# KiCad board mist1010.kicad_pcb (continued)
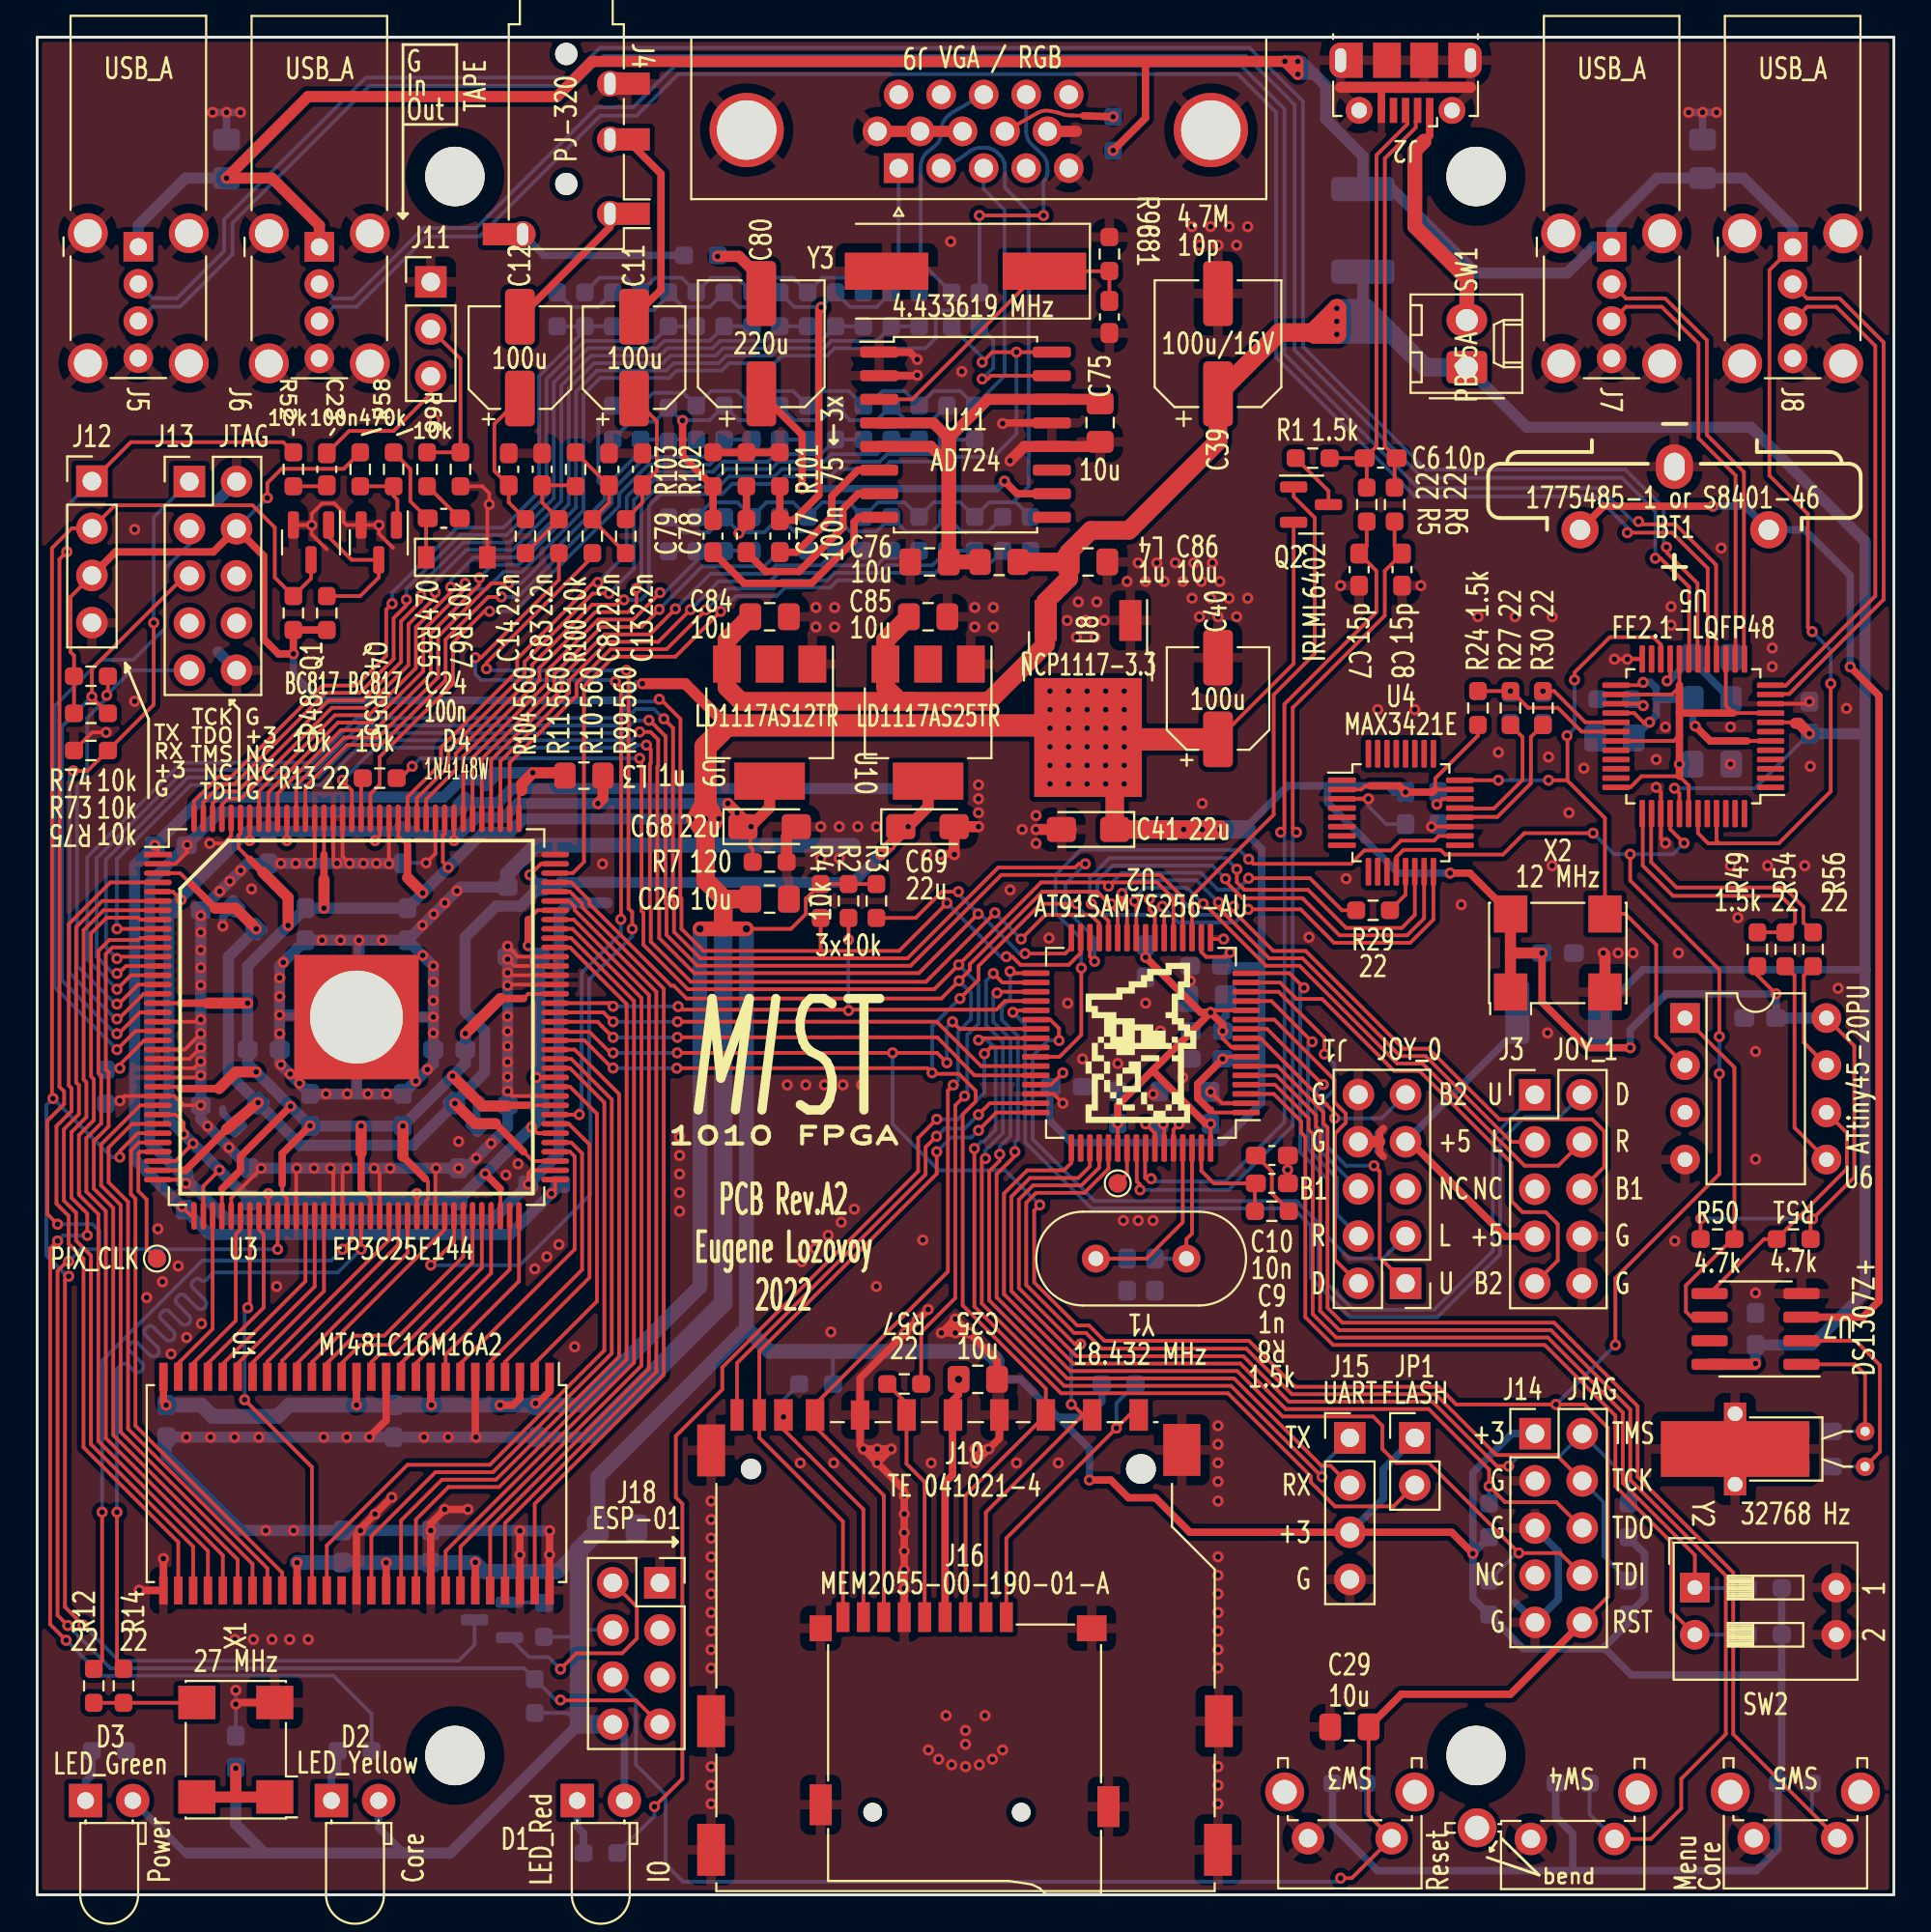
[diagram p0: board, top side]
## Placement (name value [footprint] x y rotation side) (continued)
R16  1.1k  [R_0603_1608Metric_Pad0.98x0.95mm_HandSolder]  32.5 85.35 90 bottom
R17  1.1k  [R_0603_1608Metric_Pad0.98x0.95mm_HandSolder]  35.5 85.35 90 bottom
R18  2.2k  [R_0603_1608Metric_Pad0.98x0.95mm_HandSolder]  38.5 85.35 90 bottom
R19  4.3k  [R_0603_1608Metric_Pad0.98x0.95mm_HandSolder]  41.5 85.35 90 bottom
R20  9.1k  [R_0603_1608Metric_Pad0.98x0.95mm_HandSolder]  44.5 85.35 90 bottom
R21  18k  [R_0603_1608Metric_Pad0.98x0.95mm_HandSolder]  47.5 85.35 90 bottom
R22  1k  [R_0603_1608Metric_Pad0.98x0.95mm_HandSolder]  35.5 73.24 90 bottom
R23  1.1k  [R_0603_1608Metric_Pad0.98x0.95mm_HandSolder]  38.5 73.25 90 bottom
R24  1.5k  [R_0603_1608Metric_Pad0.98x0.95mm_HandSolder]  77.6 63.89 90 top
R25  1.1k  [R_0603_1608Metric_Pad0.98x0.95mm_HandSolder]  41.5 73.26 90 bottom
R26  2.2k  [R_0603_1608Metric_Pad0.98x0.95mm_HandSolder]  44.5 73.26 90 bottom
R27  22  [R_0603_1608Metric_Pad0.98x0.95mm_HandSolder]  79.35 63.89 90 top
R28  4.3k  [R_0603_1608Metric_Pad0.98x0.95mm_HandSolder]  47.5 73.26 90 bottom
R29  22  [R_0603_1608Metric_Pad0.98x0.95mm_HandSolder]  71.95 53 0 top
R30  22  [R_0603_1608Metric_Pad0.98x0.95mm_HandSolder]  81.1 63.89 90 top
R31  9.1k  [R_0603_1608Metric_Pad0.98x0.95mm_HandSolder]  50.5 73.26 90 bottom
R32  18k  [R_0603_1608Metric_Pad0.98x0.95mm_HandSolder]  53.5 73.26 90 bottom
R33  1k  [R_0603_1608Metric_Pad0.98x0.95mm_HandSolder]  32.5 79.25 90 bottom
R34  1.1k  [R_0603_1608Metric_Pad0.98x0.95mm_HandSolder]  35.5 79.25 90 bottom
R35  1.1k  [R_0603_1608Metric_Pad0.98x0.95mm_HandSolder]  38.5 79.25 90 bottom
R36  2.7k 1%  [R_0603_1608Metric_Pad0.98x0.95mm_HandSolder]  84.95 64.37 180 bottom
R37  2.2k  [R_0603_1608Metric_Pad0.98x0.95mm_HandSolder]  41.5 79.25 90 bottom
R38  0  [R_0603_1608Metric_Pad0.98x0.95mm_HandSolder]  57.95 94.8 90 bottom
R39  4.3k  [R_0603_1608Metric_Pad0.98x0.95mm_HandSolder]  44.5 79.25 90 bottom
R40  9.1k  [R_0603_1608Metric_Pad0.98x0.95mm_HandSolder]  47.5 79.25 90 bottom
R41  18k  [R_0603_1608Metric_Pad0.98x0.95mm_HandSolder]  50.5 79.25 90 bottom
R42  100  [R_0603_1608Metric_Pad0.98x0.95mm_HandSolder]  50.75 85.34 90 bottom
R43  100  [R_0603_1608Metric_Pad0.98x0.95mm_HandSolder]  49.25 85.34 90 bottom
R44  10k  [R_0603_1608Metric_Pad0.98x0.95mm_HandSolder]  26.8 10.7 90 bottom
R45  220  [R_0603_1608Metric_Pad0.98x0.95mm_HandSolder]  30.34 2.25 0 bottom
R46  220  [R_0603_1608Metric_Pad0.98x0.95mm_HandSolder]  17.1 7.75 0 bottom
R47  220  [R_0603_1608Metric_Pad0.98x0.95mm_HandSolder]  3.86 7.75 0 bottom
R48  10k  [R_0603_1608Metric_Pad0.98x0.95mm_HandSolder]  13.8 69 270 top
R49  1.5k  [R_0603_1608Metric_Pad0.98x0.95mm_HandSolder]  92.65 50.9 90 top
R50  4.7k  [R_0603_1608Metric_Pad0.98x0.95mm_HandSolder]  90.5 35.3 0 top
R51  4.7k  [R_0603_1608Metric_Pad0.98x0.95mm_HandSolder]  94.6 35.3 180 top
R52  10k  [R_0603_1608Metric_Pad0.98x0.95mm_HandSolder]  13.8 76.74 270 top
R53  4.7k  [R_0603_1608Metric_Pad0.98x0.95mm_HandSolder]  58.25 27.5 0 bottom
R54  22  [R_0603_1608Metric_Pad0.98x0.95mm_HandSolder]  94.15 50.9 90 top
R55  10k  [R_0603_1608Metric_Pad0.98x0.95mm_HandSolder]  15.6 69 270 top
R56  22  [R_0603_1608Metric_Pad0.98x0.95mm_HandSolder]  95.65 50.9 90 top
R57  22  [R_0603_1608Metric_Pad0.98x0.95mm_HandSolder]  46.7 27.5 180 top
R58  470k  [R_0603_1608Metric_Pad0.98x0.95mm_HandSolder]  17.4 76.74 90 top
R59  10k  [R_0603_1608Metric_Pad0.98x0.95mm_HandSolder]  27.3 14.8 90 bottom
R60  4.7k  [R_0603_1608Metric_Pad0.98x0.95mm_HandSolder]  93.05 16.51 180 bottom
R61  4.7k  [R_0603_1608Metric_Pad0.98x0.95mm_HandSolder]  93.05 14.01 180 bottom
R62  4.7k  [R_0603_1608Metric_Pad0.98x0.95mm_HandSolder]  82.7 6 0 bottom
R63  4.7k  [R_0603_1608Metric_Pad0.98x0.95mm_HandSolder]  94.67 6 0 bottom
R64  4.7k  [R_0603_1608Metric_Pad0.98x0.95mm_HandSolder]  41.95 27.5 180 bottom
R65  470  [R_0603_1608Metric_Pad0.98x0.95mm_HandSolder]  21 76.74 270 top
R66  10k  [R_0603_1608Metric_Pad0.98x0.95mm_HandSolder]  19.2 76.74 270 top
R67  10k  [R_0603_1608Metric_Pad0.98x0.95mm_HandSolder]  22.8 76.74 270 top
R68  4.7k  [R_0603_1608Metric_Pad0.98x0.95mm_HandSolder]  70.67 6 0 bottom
R69  4.7k  [R_0603_1608Metric_Pad0.98x0.95mm_HandSolder]  85.7 20.16 90 bottom
R70  4.7k  [R_0603_1608Metric_Pad0.98x0.95mm_HandSolder]  85.7 16 90 bottom
R71  4.7k  [R_0603_1608Metric_Pad0.98x0.95mm_HandSolder]  78.2 20.16 90 bottom
R72  4.7k  [R_0603_1608Metric_Pad0.98x0.95mm_HandSolder]  78.2 16 90 bottom
R73  10k  [R_0603_1608Metric_Pad0.98x0.95mm_HandSolder]  2.9 63.6 0 top
R74  10k  [R_0603_1608Metric_Pad0.98x0.95mm_HandSolder]  2.9 65.6 0 top
R75  10k  [R_0603_1608Metric_Pad0.98x0.95mm_HandSolder]  2.9 61.6 180 top
R76  1k  [R_0603_1608Metric_Pad0.98x0.95mm_HandSolder]  28 85.35 90 bottom
R77  1.1k  [R_0603_1608Metric_Pad0.98x0.95mm_HandSolder]  31 85.35 90 bottom
R78  1.1k  [R_0603_1608Metric_Pad0.98x0.95mm_HandSolder]  34 85.35 90 bottom
R79  2.2k  [R_0603_1608Metric_Pad0.98x0.95mm_HandSolder]  37 85.35 90 bottom
R80  4.3k  [R_0603_1608Metric_Pad0.98x0.95mm_HandSolder]  40 85.35 90 bottom
R81  9.1k  [R_0603_1608Metric_Pad0.98x0.95mm_HandSolder]  43 85.35 90 bottom
R82  18k  [R_0603_1608Metric_Pad0.98x0.95mm_HandSolder]  46 85.35 90 bottom
R83  1k  [R_0603_1608Metric_Pad0.98x0.95mm_HandSolder]  34 73.24 90 bottom
R84  1.1k  [R_0603_1608Metric_Pad0.98x0.95mm_HandSolder]  37 73.25 90 bottom
R85  1.1k  [R_0603_1608Metric_Pad0.98x0.95mm_HandSolder]  40 73.26 90 bottom
R86  2.2k  [R_0603_1608Metric_Pad0.98x0.95mm_HandSolder]  43 73.26 90 bottom
R87  4.3k  [R_0603_1608Metric_Pad0.98x0.95mm_HandSolder]  46 73.26 90 bottom
R88  9.1k  [R_0603_1608Metric_Pad0.98x0.95mm_HandSolder]  49 73.26 90 bottom
R89  75  [R_0603_1608Metric_Pad0.98x0.95mm_HandSolder]  35.75 88.25 0 bottom
R90  18k  [R_0603_1608Metric_Pad0.98x0.95mm_HandSolder]  52 73.26 90 bottom
R91  1k  [R_0603_1608Metric_Pad0.98x0.95mm_HandSolder]  31 79.25 270 bottom
R92  1.1k  [R_0603_1608Metric_Pad0.98x0.95mm_HandSolder]  34 79.14 90 bottom
R93  1.1k  [R_0603_1608Metric_Pad0.98x0.95mm_HandSolder]  37 79.25 90 bottom
R94  2.2k  [R_0603_1608Metric_Pad0.98x0.95mm_HandSolder]  40 79.25 90 bottom
R95  4.3k  [R_0603_1608Metric_Pad0.98x0.95mm_HandSolder]  43 79.25 90 bottom
R96  9.1k  [R_0603_1608Metric_Pad0.98x0.95mm_HandSolder]  46 79.25 90 bottom
R97  18k  [R_0603_1608Metric_Pad0.98x0.95mm_HandSolder]  49 79.25 90 bottom
R98  4.7M  [R_0603_1608Metric_Pad0.98x0.95mm_HandSolder]  57.75 88.32 270 top
R99  560  [R_0603_1608Metric_Pad0.98x0.95mm_HandSolder]  31.7 73.14 90 top
R100  10k  [R_0603_1608Metric_Pad0.98x0.95mm_HandSolder]  29 76.74 270 top
R101  75  [R_0603_1608Metric_Pad0.98x0.95mm_HandSolder]  40 76.74 90 top
R102  75  [R_0603_1608Metric_Pad0.98x0.95mm_HandSolder]  38.2 76.74 90 top
R103  75  [R_0603_1608Metric_Pad0.98x0.95mm_HandSolder]  36.4 76.74 90 top
R104  560  [R_0603_1608Metric_Pad0.98x0.95mm_HandSolder]  26.3 73.14 90 top
SW1  PB05A  [Molex_KK-254_AE-6410-02A_1x02_P2.54mm_Vertical]  77 82.23 90 top
SW2  SW_DIP_x02  [SW_DIP_SPSTx02_Slide_9.78x7.26mm_W7.62mm_P2.54mm]  89.28 16.54 0 top
SW3  SW_Push  [SW_Tactile_SPST_Angled_PTS645Vx58-2LFS#2]  72.95 3.05 180 top
SW4  SW_Push  [SW_Tactile_SPST_Angled_PTS645Vx58-2LFS]  84.95 3.01 180 top
SW5  SW_Push  [SW_Tactile_SPST_Angled_PTS645Vx58-2LFS#2]  96.95 3.05 180 top
TP1  TestPoint  [TestPoint_Pad_D1.0mm]  6.45 34.25 270 top
TP2  TestPoint  [TestPoint_Pad_D1.0mm]  58.2 38.3 0 top
U1  MT48LC16M16A2  [TSOP-II-54_22.2x10.16mm_P0.8mm]  17.2 22.14 270 top
U2  AT91SAM7S256-AU  [TQFP-64_10x10mm_P0.5mm]  59.45 45.86 180 top
U3  EP3C25E144  [ALTERA-QFP-145]  17.2 47.25 0 top
U4  MAX3421E  [LQFP-32_5x5mm_P0.5mm]  73.45 58.25 0 top
U5  FE2.1-LQFP48  [LQFP-48_7x7mm_P0.5mm]  89.2 62.37 180 top
U6  ATtiny45-20PU  [DIP-8_W7.62mm]  88.75 47.2 0 top
U7  DS1307Z+  [SOIC-8_3.9x4.9mm_P1.27mm]  92.55 30.46 180 top
U8  NCP1117-3.3  [TO-252-2]  56.6 64.4 270 top
U9  LD1117AS12TR  [SOT-223-3_TabPin2]  39.45 63.1 270 top
U10  LD1117AS25TR  [SOT-223-3_TabPin2]  47.99 63.1 270 top
U11  AD724  [SOIC-16W_7.5x10.3mm_P1.27mm]  50 78.6 0 top
X1  27 MHz  [Oscillator_SMD_SeikoEpson_SG8002CA-4Pin_7.0x5.0mm]  10.7 7.81 90 top
X2  12 MHz  [Oscillator_SMD_SeikoEpson_SG8002CA-4Pin_7.0x5.0mm]  81.9 50.7 0 top
Y1  18.432 MHz  [Crystal_HC49-U_Vertical]  61.9 34.25 180 top
Y2  32768 Hz  [Crystal_C38-LF_D3.0mm_L8.0mm_Horizontal_1EP_style2]  98.45 24.95 270 top
Y3  4.433619 MHz  [Crystal_SMD_HC49-SD]  50 87.4 180 top

## Library data of the parts
J1 J3 = -: Desc: Joystick_HDR
J4 = -: Desc: RPi pinout
LOGO1 = -: Desc: Logo
U2 = -: MPN: AT91SAM7S256-AU-001; OC_FARNELL: 1095460; OC_NEWARK: 80K7127; PACKAGE: LQFP-64; SUPPLIER: Atmel
U7 = -: ValueAlt: M41T56

## Footprints (pads in the part's own frame, mm; a bottom-side part is the same pattern mirrored in y, then rotated)
ALTERA-QFP-145
  rect 1.5x0.3 smd: 1(-10.7,8.75)
  oval 1.5x0.3 smd: 2(-10.7,8.25) 3(-10.7,7.75) 4(-10.7,7.25) 5(-10.7,6.75) 6(-10.7,6.25) 7(-10.7,5.75) 8(-10.7,5.25) 9(-10.7,4.75) 10(-10.7,4.25) 11(-10.7,3.75) 12(-10.7,3.25) 13(-10.7,2.75) 14(-10.7,2.25) 15(-10.7,1.75) 16(-10.7,1.25) 17(-10.7,0.75) 18(-10.7,0.25) 19(-10.7,-0.25) 20(-10.7,-0.75) 21(-10.7,-1.25) 22(-10.7,-1.75) 23(-10.7,-2.25) 24(-10.7,-2.75) 25(-10.7,-3.25) 26(-10.7,-3.75) 27(-10.7,-4.25) 28(-10.7,-4.75) 29(-10.7,-5.25) 30(-10.7,-5.75) 31(-10.7,-6.25) 32(-10.7,-6.75) 33(-10.7,-7.25) 34(-10.7,-7.75) 35(-10.7,-8.25) 36(-10.7,-8.75) 73(10.7,-8.75) 74(10.7,-8.25) 75(10.7,-7.75) 76(10.7,-7.25) 77(10.7,-6.75) 78(10.7,-6.25) 79(10.7,-5.75) 80(10.7,-5.25) 81(10.7,-4.75) 82(10.7,-4.25) 83(10.7,-3.75) 84(10.7,-3.25) 85(10.7,-2.75) 86(10.7,-2.25) 87(10.7,-1.75) 88(10.7,-1.25) 89(10.7,-0.75) 90(10.7,-0.25) 91(10.7,0.25) 92(10.7,0.75) 93(10.7,1.25) 94(10.7,1.75) 95(10.7,2.25) 96(10.7,2.75) 97(10.7,3.25) 98(10.7,3.75) 99(10.7,4.25) 100(10.7,4.75) 101(10.7,5.25) 102(10.7,5.75) 103(10.7,6.25) 104(10.7,6.75) 105(10.7,7.25) 106(10.7,7.75) 107(10.7,8.25) 108(10.7,8.75)
  oval 0.3x1.5 smd: 37(-8.75,-10.7) 38(-8.25,-10.7) 39(-7.75,-10.7) 40(-7.25,-10.7) 41(-6.75,-10.7) 42(-6.25,-10.7) 43(-5.75,-10.7) 44(-5.25,-10.7) 45(-4.75,-10.7) 46(-4.25,-10.7) 47(-3.75,-10.7) 48(-3.25,-10.7) 49(-2.75,-10.7) 50(-2.25,-10.7) 51(-1.75,-10.7) 52(-1.25,-10.7) 53(-0.75,-10.7) 54(-0.25,-10.7) 55(0.25,-10.7) 56(0.75,-10.7) 57(1.25,-10.7) 58(1.75,-10.7) 59(2.25,-10.7) 60(2.75,-10.7) 61(3.25,-10.7) 62(3.75,-10.7) 63(4.25,-10.7) 64(4.75,-10.7) 65(5.25,-10.7) 66(5.75,-10.7) 67(6.25,-10.7) 68(6.75,-10.7) 69(7.25,-10.7) 70(7.75,-10.7) 71(8.25,-10.7) 72(8.75,-10.7) 109(8.75,10.7) 110(8.25,10.7) 111(7.75,10.7) 112(7.25,10.7) 113(6.75,10.7) 114(6.25,10.7) 115(5.75,10.7) 116(5.25,10.7) 117(4.75,10.7) 118(4.25,10.7) 119(3.75,10.7) 120(3.25,10.7) 121(2.75,10.7) 122(2.25,10.7) 123(1.75,10.7) 124(1.25,10.7) 125(0.75,10.7) 126(0.25,10.7) 127(-0.25,10.7) 128(-0.75,10.7) 129(-1.25,10.7) 130(-1.75,10.7) 131(-2.25,10.7) 132(-2.75,10.7) 133(-3.25,10.7) 134(-3.75,10.7) 135(-4.25,10.7) 136(-4.75,10.7) 137(-5.25,10.7) 138(-5.75,10.7) 139(-6.25,10.7) 140(-6.75,10.7) 141(-7.25,10.7) 142(-7.75,10.7) 143(-8.25,10.7) 144(-8.75,10.7)
  round 6 hole 5: 145(0,0)
  rect 6.7x6.7 smd: 145(0,0)
C_0603_1608Metric_Pad1.08x0.95mm_HandSolder
  rrect 1.075x0.95 smd: 1(-0.863,0) 2(0.863,0)
C_0805_2012Metric_Pad1.18x1.45mm_HandSolder
  rrect 1.175x1.45 smd: 1(-1.038,0) 2(1.038,0)
CP_EIA-3216-18_Kemet-A_Pad1.58x1.35mm_HandSolder
  rrect 1.575x1.35 smd: 1(-1.438,0) 2(1.438,0)
CP_Elec_5x5.9
  rrect 3x1.6 smd: 1(-2.2,0) 2(2.2,0)
CP_Elec_6.3x7.7
  rrect 3.5x1.6 smd: 1(-2.7,0) 2(2.7,0)
CR2032V
  round 2 hole 1.1: 1(0,0) 1(10.16,0)
  oval 2x2.4 hole 1.1x1.5: 2(5.08,3.4)
Crystal_C38-LF_D3.0mm_L8.0mm_Horizontal_1EP_style2
  round 1 hole 0.5: 1(0,0) 2(1.9,0)
  rect 1.2x1.2 hole 0.8: 3(-0.95,-7) 3(2.85,-7)
  rect 3x8 smd: 3(0.95,-7)
Crystal_HC49-U_Vertical
  round 1.5 hole 0.8: 1(0,0) 2(4.88,0)
Crystal_SMD_HC49-SD
  rect 4.5x2 smd: 1(-4.25,0) 2(4.25,0)
D_SOD-123
  rect 0.9x1.2 smd: 1(-1.65,0) 2(1.65,0)
DIP-8_W7.62mm
  rect 1.6x1.6 hole 0.8: 1(0,0)
  oval 1.6x1.6 hole 0.8: 2(0,-2.54) 3(0,-5.08) 4(0,-7.62) 5(7.62,-7.62) 6(7.62,-5.08) 7(7.62,-2.54) 8(7.62,0)
DSUB-15-HD_Female_Horizontal_P2.29x1.98mm_EdgePinOffset3.03mm_Housed_MountingHolesOffset4.94mm
  round 4 hole 3.2: 0(-16.815,-2.05) 0(8.185,-2.05)
  rect 1.6x1.6 hole 1: 1(0,0)
  round 1.6 hole 1: 2(-2.29,0) 3(-4.58,0) 4(-6.87,0) 5(-9.16,0) 6(1.145,-1.98) 7(-1.145,-1.98) 8(-3.435,-1.98) 9(-5.725,-1.98) 10(-8.015,-1.98) 11(0,-3.96) 12(-2.29,-3.96) 13(-4.58,-3.96) 14(-6.87,-3.96) 15(-9.16,-3.96)
Fuse_1812_4532Metric_Pad1.30x3.40mm_HandSolder
  rrect 1.3x3.4 smd: 1(-2.225,0) 2(2.225,0)
GCT-MEM2055-00-190-01-A
  round 1 hole 1 unplated: (-3.05,11.3) (4.95,11.3)
  rect 0.7x1.6 smd: 1(-2.25,0.8) 2(-1.15,0.8) 3(-0.05,0.8) 4(1.05,0.8) 5(2.15,0.8) 6(3.25,0.8) 7(4.35,0.8) 8(5.45,0.8) 9(6.55,0.8)
  rect 1.2x1.4 smd: 10(7.75,1.4)
  rect 1.2x2.2 smd: 11(-7.75,11) 11(7.75,10.9)
  rect 1.6x1.4 smd: 11(-6.85,1.4)
L_0805_2012Metric_Pad1.15x1.40mm_HandSolder
  rrect 1.15x1.4 smd: 1(-1.025,0) 2(1.025,0)
LED_D3.0mm_Horizontal_O1.27mm_Z6.0mm
  rect 1.8x1.8 hole 0.9: 1(0,0)
  round 1.8 hole 0.9: 2(2.54,0)
LQFP-32_5x5mm_P0.5mm
  rrect 1.5x0.3 smd: 1(-3.175,1.75) 2(-3.175,1.25) 3(-3.175,0.75) 4(-3.175,0.25) 5(-3.175,-0.25) 6(-3.175,-0.75) 7(-3.175,-1.25) 8(-3.175,-1.75) 17(3.175,-1.75) 18(3.175,-1.25) 19(3.175,-0.75) 20(3.175,-0.25) 21(3.175,0.25) 22(3.175,0.75) 23(3.175,1.25) 24(3.175,1.75)
  rrect 0.3x1.5 smd: 9(-1.75,-3.175) 10(-1.25,-3.175) 11(-0.75,-3.175) 12(-0.25,-3.175) 13(0.25,-3.175) 14(0.75,-3.175) 15(1.25,-3.175) 16(1.75,-3.175) 25(1.75,3.175) 26(1.25,3.175) 27(0.75,3.175) 28(0.25,3.175) 29(-0.25,3.175) 30(-0.75,3.175) 31(-1.25,3.175) 32(-1.75,3.175)
LQFP-48_7x7mm_P0.5mm
  rrect 1.475x0.3 smd: 1(-4.162,2.75) 2(-4.162,2.25) 3(-4.162,1.75) 4(-4.162,1.25) 5(-4.162,0.75) 6(-4.162,0.25) 7(-4.162,-0.25) 8(-4.162,-0.75) 9(-4.162,-1.25) 10(-4.162,-1.75) 11(-4.162,-2.25) 12(-4.162,-2.75) 25(4.162,-2.75) 26(4.162,-2.25) 27(4.162,-1.75) 28(4.162,-1.25) 29(4.162,-0.75) 30(4.162,-0.25) 31(4.162,0.25) 32(4.162,0.75) 33(4.162,1.25) 34(4.162,1.75) 35(4.162,2.25) 36(4.162,2.75)
  rrect 0.3x1.475 smd: 13(-2.75,-4.162) 14(-2.25,-4.162) 15(-1.75,-4.162) 16(-1.25,-4.162) 17(-0.75,-4.162) 18(-0.25,-4.162) 19(0.25,-4.162) 20(0.75,-4.162) 21(1.25,-4.162) 22(1.75,-4.162) 23(2.25,-4.162) 24(2.75,-4.162) 37(2.75,4.162) 38(2.25,4.162) 39(1.75,4.162) 40(1.25,4.162) 41(0.75,4.162) 42(0.25,4.162) 43(-0.25,4.162) 44(-0.75,4.162) 45(-1.25,4.162) 46(-1.75,4.162) 47(-2.25,4.162) 48(-2.75,4.162)
Molex_KK-254_AE-6410-02A_1x02_P2.54mm_Vertical
  rrect 1.74x2.19 hole 1.19: 1(0,0)
  oval 1.74x2.19 hole 1.19: 2(2.54,0)
MountingHole_3.2mm_M3_dk5.2mm
  round 5.2 hole 3.2 unplated: (0,0)
Oscillator_SMD_SeikoEpson_SG8002CA-4Pin_7.0x5.0mm
  rect 1.8x2 smd: 1(-2.54,-2.1) 2(2.54,-2.1) 3(2.54,2.1) 4(-2.54,2.1)
PinHeader_1x02_P2.54mm_Vertical
  rect 1.7x1.7 hole 1: 1(0,0)
  oval 1.7x1.7 hole 1: 2(0,-2.54)
PinHeader_1x03_P2.54mm_Vertical
  rect 1.7x1.7 hole 1: 1(0,0)
  oval 1.7x1.7 hole 1: 2(0,-2.54) 3(0,-5.08)
PinHeader_1x04_P2.54mm_Vertical
  rect 1.7x1.7 hole 1: 1(0,0)
  oval 1.7x1.7 hole 1: 2(0,-2.54) 3(0,-5.08) 4(0,-7.62)
PinHeader_2x05_P2.54mm_Vertical
  rect 1.7x1.7 hole 1: 1(0,0)
  oval 1.7x1.7 hole 1: 2(2.54,0) 3(0,-2.54) 4(2.54,-2.54) 5(0,-5.08) 6(2.54,-5.08) 7(0,-7.62) 8(2.54,-7.62) 9(0,-10.16) 10(2.54,-10.16)
PinSocket_2x04_P2.54mm_Vertical
  rect 1.7x1.7 hole 1: 1(0,0)
  oval 1.7x1.7 hole 1: 2(-2.54,0) 3(0,-2.54) 4(-2.54,-2.54) 5(0,-5.08) 6(-2.54,-5.08) 7(0,-7.62) 8(-2.54,-7.62)
PJ-320A_D
  round 1.2 hole 1.2 unplated: (-4.775,0) (2.225,0)
  rect 1.2x2.5 smd: R1(-0.175,3.25) R2(-3.175,3.25) S(4.925,-3.25) T(3.825,3.25)
  round 1.4 hole 1.2x0.6: R1(-0.175,2.35) R2(-3.175,2.35) S(4.925,-2.35) T(3.825,2.35)
R_0603_1608Metric_Pad0.98x0.95mm_HandSolder
  rrect 0.975x0.95 smd: 1(-0.912,0) 2(0.912,0)
SD_TE_2041021-mod
  round 1.1 hole 1.1 unplated: (-11.5,9.175)
  round 1.6 hole 1.6 unplated: (9.5,9.175)
  rect 1x1.7 smd: 1(6.875,12.08) 2(4.375,12.08) 3(1.875,12.08) 4(-0.625,12.08) 5(-3.125,12.08) 7(-8.055,12.08) 8(-9.755,12.08) 9(9.375,12.08)
  rect 1x1.57 smd: 6(-5.625,12.08)
  rect 0.7x1.7 smd: 10(-11.055,12.08) 11(-12.255,12.08)
  rect 1.5x2.8 smd: 12(-13.65,10.175) 13(-13.65,-4.4) 13(-13.65,-11.325) 13(13.65,-11.325) 13(13.7,-4.4)
  rect 2x2.8 smd: 12(11.7,10.2)
SOIC-8_3.9x4.9mm_P1.27mm
  rrect 1.95x0.6 smd: 1(-2.475,1.905) 2(-2.475,0.635) 3(-2.475,-0.635) 4(-2.475,-1.905) 5(2.475,-1.905) 6(2.475,-0.635) 7(2.475,0.635) 8(2.475,1.905)
SOIC-16W_7.5x10.3mm_P1.27mm
  rrect 2.05x0.6 smd: 1(-4.65,4.445) 2(-4.65,3.175) 3(-4.65,1.905) 4(-4.65,0.635) 5(-4.65,-0.635) 6(-4.65,-1.905) 7(-4.65,-3.175) 8(-4.65,-4.445) 9(4.65,-4.445) 10(4.65,-3.175) 11(4.65,-1.905) 12(4.65,-0.635) 13(4.65,0.635) 14(4.65,1.905) 15(4.65,3.175) 16(4.65,4.445)
SOT-23
  rrect 1.475x0.6 smd: 1(-0.938,0.95) 2(-0.938,-0.95) 3(0.938,0)
SOT-223-3_TabPin2
  rect 2x1.5 smd: 1(-3.15,2.3) 2(-3.15,0) 3(-3.15,-2.3)
  rect 2x3.8 smd: 2(3.15,0)
SW_DIP_SPSTx02_Slide_9.78x7.26mm_W7.62mm_P2.54mm
  rect 1.6x1.6 hole 0.8: 1(0,0)
  oval 1.6x1.6 hole 0.8: 2(0,-2.54) 3(7.62,-2.54) 4(7.62,0)
SW_Tactile_SPST_Angled_PTS645Vx58-2LFS
  round 2.1 hole 1.3: (-1.25,-2.49) (7.4,-0.6)
  round 1.75 hole 0.99: 1(0,0) 2(4.5,0)
SW_Tactile_SPST_Angled_PTS645Vx58-2LFS#2
  round 2.1 hole 1.3: (-1.25,-2.49) (5.76,-2.49)
  round 1.75 hole 0.99: 1(0,0) 2(4.5,0)
TestPoint_Pad_D1.0mm
  round 1 smd: 1(0,0)
TO-252-2
  rect 3.05x2.75 smd: (0.425,1.525) (0.425,-1.525) (3.775,1.525) (3.775,-1.525)
  rect 2.2x1.2 smd: 1(-4.2,2.28) 3(-4.2,-2.28)
  rect 6.4x5.8 smd: 2(2.1,0)
TQFP-64_10x10mm_P0.5mm
  rrect 1.475x0.3 smd: 1(-5.662,3.75) 2(-5.662,3.25) 3(-5.662,2.75) 4(-5.662,2.25) 5(-5.662,1.75) 6(-5.662,1.25) 7(-5.662,0.75) 8(-5.662,0.25) 9(-5.662,-0.25) 10(-5.662,-0.75) 11(-5.662,-1.25) 12(-5.662,-1.75) 13(-5.662,-2.25) 14(-5.662,-2.75) 15(-5.662,-3.25) 16(-5.662,-3.75) 33(5.662,-3.75) 34(5.662,-3.25) 35(5.662,-2.75) 36(5.662,-2.25) 37(5.662,-1.75) 38(5.662,-1.25) 39(5.662,-0.75) 40(5.662,-0.25) 41(5.662,0.25) 42(5.662,0.75) 43(5.662,1.25) 44(5.662,1.75) 45(5.662,2.25) 46(5.662,2.75) 47(5.662,3.25) 48(5.662,3.75)
  rrect 0.3x1.475 smd: 17(-3.75,-5.662) 18(-3.25,-5.662) 19(-2.75,-5.662) 20(-2.25,-5.662) 21(-1.75,-5.662) 22(-1.25,-5.662) 23(-0.75,-5.662) 24(-0.25,-5.662) 25(0.25,-5.662) 26(0.75,-5.662) 27(1.25,-5.662) 28(1.75,-5.662) 29(2.25,-5.662) 30(2.75,-5.662) 31(3.25,-5.662) 32(3.75,-5.662) 49(3.75,5.662) 50(3.25,5.662) 51(2.75,5.662) 52(2.25,5.662) 53(1.75,5.662) 54(1.25,5.662) 55(0.75,5.662) 56(0.25,5.662) 57(-0.25,5.662) 58(-0.75,5.662) 59(-1.25,5.662) 60(-1.75,5.662) 61(-2.25,5.662) 62(-2.75,5.662) 63(-3.25,5.662) 64(-3.75,5.662)
TSOP-II-54_22.2x10.16mm_P0.8mm
  rect 1.51x0.458 smd: 1(-5.75,10.4) 2(-5.75,9.6) 3(-5.75,8.8) 4(-5.75,8) 5(-5.75,7.2) 6(-5.75,6.4) 7(-5.75,5.6) 8(-5.75,4.8) 9(-5.75,4) 10(-5.75,3.2) 11(-5.75,2.4) 12(-5.75,1.6) 13(-5.75,0.8) 14(-5.75,0) 15(-5.75,-0.8) 16(-5.75,-1.6) 17(-5.75,-2.4) 18(-5.75,-3.2) 19(-5.75,-4) 20(-5.75,-4.8) 21(-5.75,-5.6) 22(-5.75,-6.4) 23(-5.75,-7.2) 24(-5.75,-8) 25(-5.75,-8.8) 26(-5.75,-9.6) 27(-5.75,-10.4) 28(5.75,-10.4) 29(5.75,-9.6) 30(5.75,-8.8) 31(5.75,-8) 32(5.75,-7.2) 33(5.75,-6.4) 34(5.75,-5.6) 35(5.75,-4.8) 36(5.75,-4) 37(5.75,-3.2) 38(5.75,-2.4) 39(5.75,-1.6) 40(5.75,-0.8) 41(5.75,0) 42(5.75,0.8) 43(5.75,1.6) 44(5.75,2.4) 45(5.75,3.2) 46(5.75,4) 47(5.75,4.8) 48(5.75,5.6) 49(5.75,6.4) 50(5.75,7.2) 51(5.75,8) 52(5.75,8.8) 53(5.75,9.6) 54(5.75,10.4)
USB_A_Wuerth_614004134726_Horizontal
  rect 1.6x1.6 hole 0.92: 1(0,0)
  round 1.6 hole 0.92: 2(2,0) 3(4,0) 4(6,0)
  round 2.15 hole 1.5: 5(-0.73,2.72) 5(-0.73,-2.72) 5(6.27,2.72) 5(6.27,-2.72)
USB_Micro-B_Molex-105017-0001
  rect 0.4x1.35 smd: 1(-1.3,1.462) 2(-0.65,1.462) 3(0,1.462) 4(0.65,1.462) 5(1.3,1.462)
  oval 1.2x1.9 hole 0.6x1.3: 6(-3.5,-1.238) 6(3.5,-1.238)
  rect 1.2x1.9 smd: 6(-2.9,-1.238) 6(2.9,-1.238)
  round 1.45 hole 0.85: 6(-2.5,1.462) 6(2.5,1.462)
  rect 1.5x1.9 smd: 6(-1,-1.238) 6(1,-1.238)

## Nets
+1V2: C42.2 C43.2 C44.2 C45.2 C46.2 C47.2 C48.2 C49.2 C68.1 L3.1 R7.1 U3.5 U3.29 U3.34 U3.38 U3.45 U3.61 U3.70 U3.78 U3.84 U3.102 U3.116 U3.124 U3.134 U3.138 U9.2
+1V2_PLL: C70.2 C71.2 C72.2 C73.2 L3.2 U3.1 U3.37 U3.73 U3.109
+2V5: C35.2 C36.2 C37.2 C38.2 C69.1 U3.3 U3.35 U3.75 U3.107 U10.2
+3V3: C26.2 C31.2 C40.1 C41.1 C50.2 C51.2 C52.2 C53.2 C54.2 C55.2 C56.2 C57.2 C58.2 C59.2 C60.2 C61.2 C62.2 C63.2 C64.2 C65.2 C66.2 C67.2 C74.2 D1.2 D2.2 D3.2 J12.3 J13.4 J14.1 J15.3 J18.4 J18.8 JP1.1 L2.1 Q2.2 R2.1 R3.1 R4.1 R24.1 R44.1 R48.2 R49.1 R50.1 R51.1 R53.1 R55.2 R58.2 R59.1 R60.1 R61.1 R62.1 R63.1 R64.1 R68.1 R69.1 R70.1 R71.1 R72.1 R73.1 R74.1 U1.1 U1.3 U1.9 U1.14 U1.27 U1.37 U1.43 U1.49 U2.1 U2.7 U2.18 U2.45 U2.58 U2.59 U3.17 U3.26 U3.40 U3.47 U3.56 U3.62 U3.81 U3.93 U3.117 U3.122 U3.130 U3.139 U4.2 U4.23 U6.8 U8.2 X1.1 X1.4 X2.1 X2.4
+5V: C30.2 C32.2 C39.1 C84.2 C85.2 C86.2 F1.1 F2.1 L4.1 SW1.1 U5.8 U5.41 U7.8 U8.3 U9.3 U10.3
+5V_JOY: F2.2 J1.7 J3.7
+5V_PAL: C75.2 C76.2 L4.2 U11.4 U11.5 U11.14
+5V_USB: C33.2 C34.2 F1.2 J5.1 J6.1 J7.1 J8.1 R38.1 U5.43 U5.45
GND: BT1.2 C1.1 C2.1 C3.1 C4.1 C5.1 C7.2 C8.2 C9.2 C10.2 C13.2 C14.2 C15.2 C16.2 C17.1 C18.1 C19.1 C20.2 C21.2 C22.1 C25.1 C26.1 C27.2 C28.2 C29.1 C30.1 C31.1 C32.1 C33.1 C34.1 C35.1 C36.1 C37.1 C38.1 C39.2 C40.2 C41.2 C42.1 C43.1 C44.1 C45.1 C46.1 C47.1 C48.1 C49.1 C50.1 C51.1 C52.1 C53.1 C54.1 C55.1 C56.1 C57.1 C58.1 C59.1 C60.1 C61.1 C62.1 C63.1 C64.1 C65.1 C66.1 C67.1 C68.2 C69.2 C70.1 C71.1 C72.1 C73.1 C74.1 C75.1 C76.1 C81.2 C82.2 C83.2 C84.1 C85.1 C86.1 D4.2 J1.8 J1.10 J2.5 J2.6 J3.8 J3.10 J4.R2 J5.4 J5.5 J6.4 J6.5 J7.4 J7.5 J8.4 J8.5 J9.0 J9.5 J9.6 J9.7 J9.8 J9.10 J10.3 J10.6 J10.12 J10.13 J11.1 J12.4 J13.2 J13.10 J14.3 J14.5 J14.9 J15.4 J16.6 J16.10 J16.11 J18.1 Q1.2 Q4.2 R7.2 R9.1 R36.2 R47.2 R67.2 R75.2 R98.1 R101.2 R102.2 R103.2 SW2.3 SW2.4 SW3.2 SW4.2 SW5.2 U1.6 U1.12 U1.28 U1.41 U1.46 U1.52 U1.54 U2.2 U2.17 U2.46 U2.60 U3.2 U3.19 U3.22 U3.23 U3.24 U3.25 U3.27 U3.36 U3.41 U3.48 U3.52 U3.53 U3.57 U3.63 U3.74 U3.82 U3.94 U3.95 U3.96 U3.97 U3.108 U3.118 U3.123 U3.128 U3.129 U3.131 U3.140 U3.145 U4.3 U4.19 U5.10 U5.24 U5.39 U6.4 U7.4 U8.1 U9.1 U10.1 U11.1 U11.2 U11.12 U11.13 X1.2 X2.2 Y2.3 Y3.2
+BATT: BT1.1 U7.3
/ARM_TCK: J14.4 R70.2 U2.53
/ARM_TDI: J14.8 R72.2 U2.33
/ARM_TDO: J14.6 R71.2 U2.49
/ARM_TMS: J14.2 R69.2 U2.51
/AUDIO_L: R10.1 U3.65
/AUDIO_R: R11.1 U3.80
/B: J9.3 R33.2 R34.2 R35.2 R37.2 R39.2 R40.2 R41.2
/Button1: R62.2 SW4.1 U2.5
/Button2: R63.2 SW5.1 U2.6
/CLK_12: U4.24 U5.22 U6.2 X2.3
/CLK_27: R12.1 R14.1 X1.3
/Composite: J4.S R89.1
/CONF_DATA0: U2.30 U3.13
/CONF_DCLK: U2.20 U3.12
/CONF_DONE: R2.2 U2.36 U3.92
/CONF_NCONFIG: R4.2 U2.31 U3.14
/CONF_NSTATUS: R3.2 U2.32 U3.9
/DM_PUP: Q2.1 U2.19
/FPGA_TCK: J13.1 R75.1 U3.16
/FPGA_TDI: J13.9 R74.2 U3.15
/FPGA_TDO: J13.3 U3.20
/FPGA_TMS: J13.5 R73.2 U3.18
/G: J9.2 R22.2 R23.2 R25.2 R26.2 R28.2 R31.2 R32.2
/HS: J9.13 R43.2
/MISO: J10.7 J16.7 U2.27 U3.105 U4.15
/MOSI: J10.2 J16.3 U2.22 U3.88 U4.16
/PIXEL_CLK: TP1.1 U3.33
/R: J9.1 R15.2 R16.2 R17.2 R18.2 R19.2 R20.2 R21.2
/RAM_A0: U1.23 U3.49
/RAM_A1: U1.24 U3.44
/RAM_A2: U1.25 U3.42
/RAM_A3: U1.26 U3.39
/RAM_A4: U1.29 U3.4
/RAM_A5: U1.30 U3.6
/RAM_A6: U1.31 U3.8
/RAM_A7: U1.32 U3.10
/RAM_A8: U1.33 U3.11
/RAM_A9: U1.34 U3.28
/RAM_A10: U1.22 U3.50
/RAM_A11: U1.35 U3.30
/RAM_A12: U1.36 U3.32
/RAM_BA0: U1.20 U3.58
/RAM_BA1: U1.21 U3.51
/RAM_CLK: U1.38 U3.43
/RAM_DQ0: U1.2 U3.83
/RAM_DQ1: U1.4 U3.79
/RAM_DQ2: U1.5 U3.77
/RAM_DQ3: U1.7 U3.76
/RAM_DQ4: U1.8 U3.72
/RAM_DQ5: U1.10 U3.71
/RAM_DQ6: U1.11 U3.69
/RAM_DQ7: U1.13 U3.68
/RAM_DQ8: U1.42 U3.86
/RAM_DQ9: U1.44 U3.87
/RAM_DQ10: U1.45 U3.98
/RAM_DQ11: U1.47 U3.99
/RAM_DQ12: U1.48 U3.100